# KiCad board KiBoxLite_H.kicad_pcb
title: ESP32-PoE; date: 2025-02-21; rev: M1; company: OLIMEX Ltd.; note: https://www.olimex.com
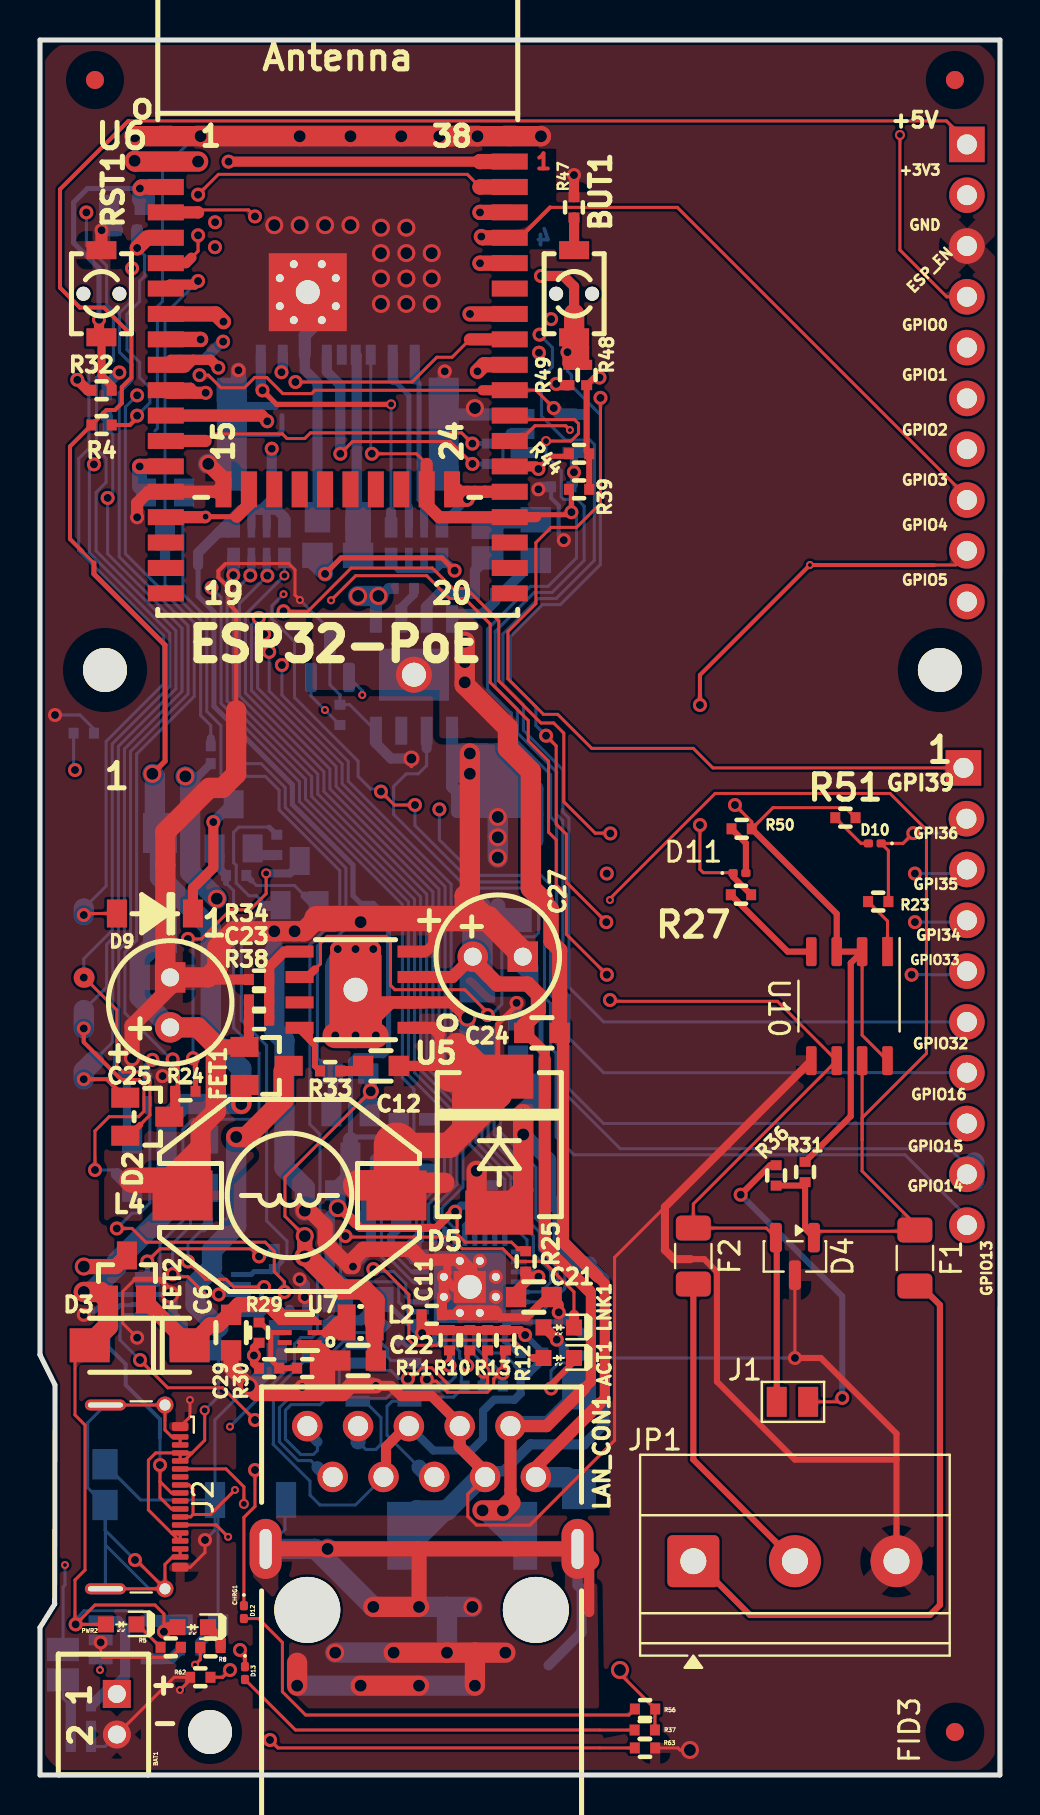
[diagram p0: board, top side]
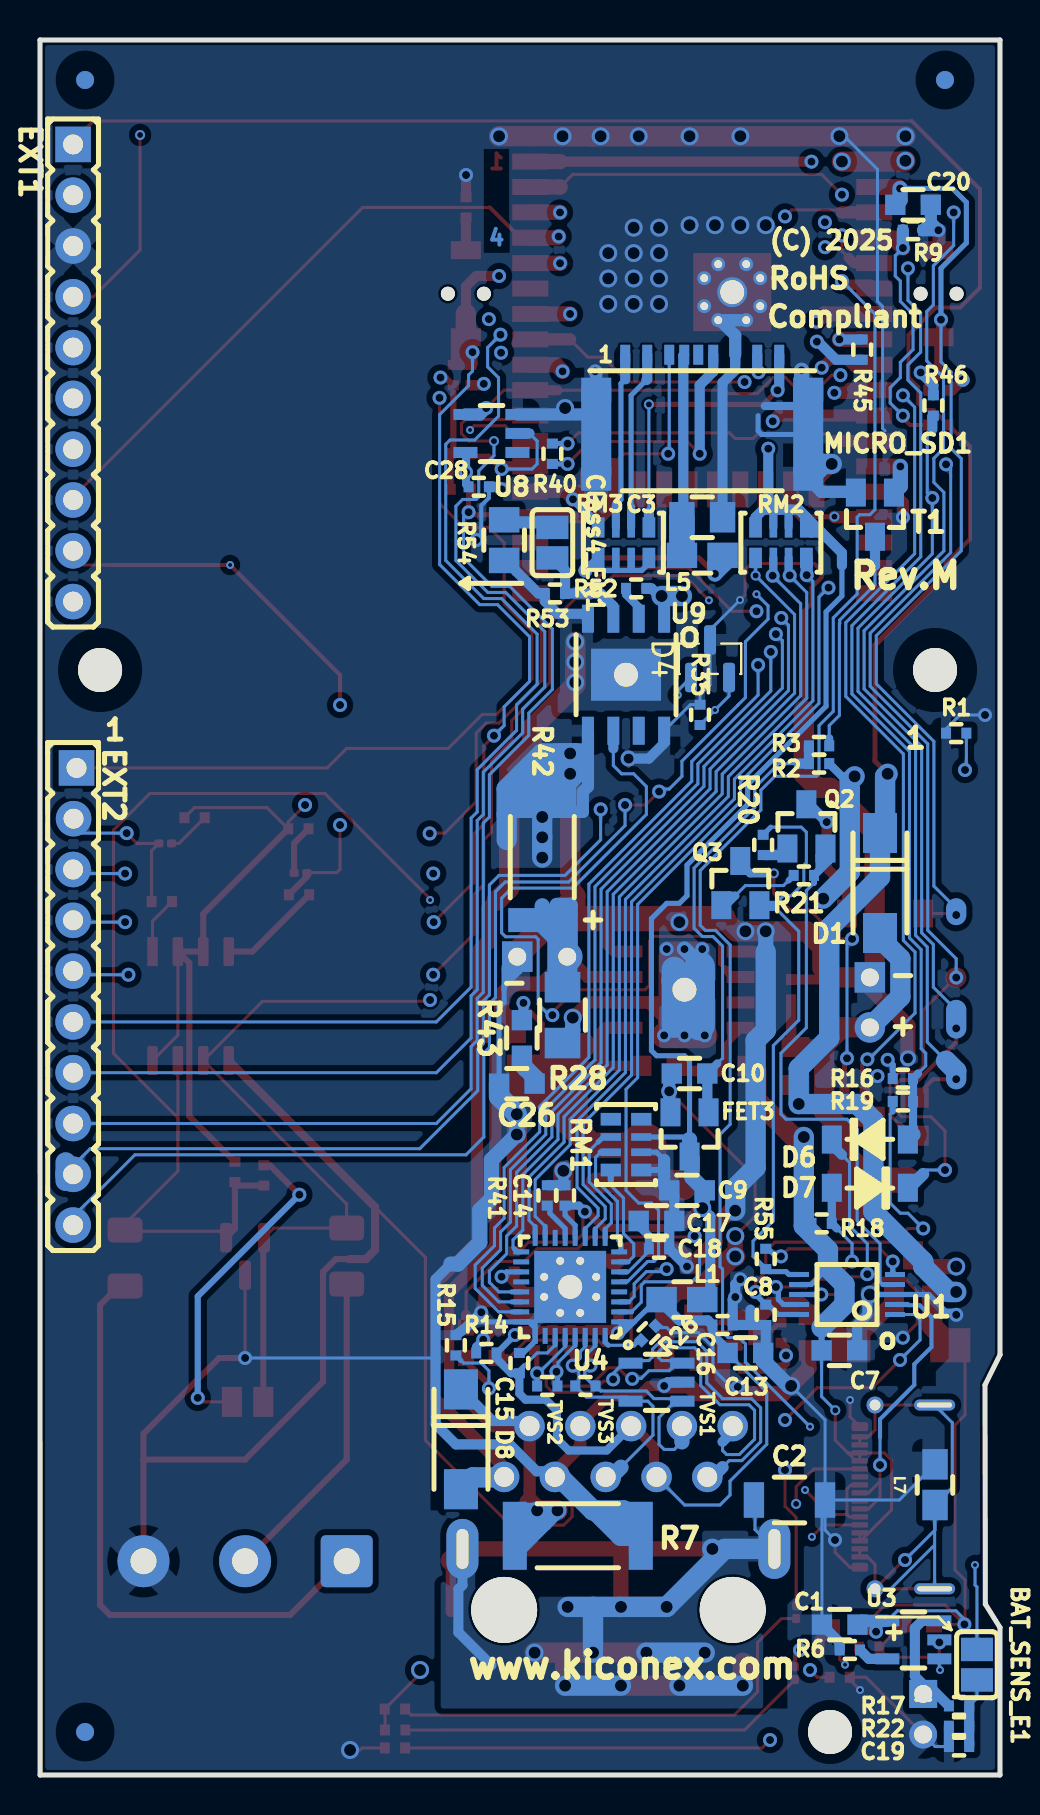
[diagram p1: board, bottom side, seen from below]

Outline 48 x 86.75 mm; copper layers: Top, In1.Cu (plane), In2.Cu (plane), Bottom. Coordinates in mm from the lower left corner of the outline.
Outline path: 0,86.75 48,86.75 48,0 0,0 0,7.37 0.73,8.55 0.75,19.5 0,21.01 0,86.75
Stack: Top 0.035mm / dielectric 0.48mm FR4 er 4.5 / In1.Cu 0.035mm / dielectric 0.48mm FR4 er 4.5 / In2.Cu 0.035mm / dielectric 0.48mm FR4 er 4.5 / Bottom 0.035mm

## Placement (name value [footprint] x y rotation side)
ACT1  LED/YELLOW/0603  [LED_0603_KA]  25.94 20.85 180 top
BAT1  DW02S  [LIPO_BAT_VERTICAL_DW02S]  0.31 3.02 270 top
BAT_SENS_E1  Opened  [SJ]  1.15 5.51 270 bottom
BUT1  IT1185AU2  [IT1185AU2_V2]  26.71 74.06 90 top
C1  22uF/6.3V/20%/X5R/C0603  [C_0603_5MIL_DWS]  8.02 7.52 0 bottom
C2  1nF/2000V/10%/X7R/C1206  [C_1206_5MIL_DWS_ISO]  10.53 13.75 0 bottom
C3  47uF/6.3V/20%/X5R/C0805  [C_0805_5MIL_DWS]  14.89 62.89 180 bottom
C6  22uF/6.3V/20%/X5R/C0603  [C_0603_5MIL_DWS]  9.56 22.12 270 top
C7  22uF/6.3V/20%/X5R/C0603  [C_0603_5MIL_DWS]  8.03 21.23 180 bottom
C8  100nF/10V/20%/X5R/C04020  [C_0402_5MIL_DWS]  11.72 23.01 270 bottom
C9  22uF/6.3V/20%/X5R/C0603  [C_0603_5MIL_DWS]  15.65 29.23 0 bottom
C10  22uF/6.3V/20%/X5R/C0603  [C_0603_5MIL_DWS]  15.53 35.07 180 bottom
C11  100nF/10V/20%/X5R/C04020  [C_0402_5MIL_DWS]  19.59 23.01 0 top
C12  100nF/100V/10%/X7R/C0603  [C_0603_5MIL_DWS]  17.05 35.46 180 top
C13  22uF/6.3V/20%/X5R/C0603  [C_0603_5MIL_DWS]  12.73 21.1 180 bottom
C14  100nF/10V/20%/X5R/C04020  [C_0402_5MIL_DWS]  21.75 28.98 90 bottom
C15  100nF/10V/20%/X5R/C04020  [C_0402_5MIL_DWS]  24.03 20.6 90 bottom
C16  100nF/10V/20%/X5R/C04020  [C_0402_5MIL_DWS]  13.87 22.5 180 bottom
C17  2.2uF/6.3V/10%/X5R/C0603  [C_0603_5MIL_DWS]  17.18 27.71 180 bottom
C18  100nF/10V/20%/X5R/C04020  [C_0402_5MIL_DWS]  17.05 26.31 180 bottom
C19  1nF/50V/10%/X7R/C0402  [C_0402_5MIL_DWS]  2.05 1.42 0 bottom
C20  1uF/10V/20%/X5R/C0603  [C_0603_5MIL_DWS]  4.35 78.51 180 bottom
C21  NA(10uF/6.3V/20%/X5R/C0603)  [C_0603_5MIL_DWS]  24.69 23.9 180 top
C22  22uF/6.3V/20%/X5R/C0603  [C_0603_5MIL_DWS]  15.91 20.72 180 top
C23  12pF/50V/5%/COG/C0402  [C_0402_5MIL_DWS]  10.95 38.76 0 top
C24  100nF/100V/10%/X7R/C0603  [C_0603_5MIL_DWS]  25.1 37.11 0 top
C25  470uF/10V/20%/Low_ESR/RM2.5/6.0x11mm  [CPOL-RM2.5mm_6.3x11mm_PTH]  6.51 38.63 90 top
C26  NA(220pF/100V/C0603)  [C_0603_5MIL_DWS]  24.16 34.57 0 bottom
C27  15uF/100V/20%/RM2.5/6.3x11mm(Farnell:1281844)  [CPOL-RM2.5mm_6.3x11mm_PTH]  22.89 40.92 0 top
C28  NA(100nF/10V/20%/X5R/C04020)  [C_0402_5MIL_DWS]  26.07 64.41 0 bottom
C29  NA(120pF/50V/5%/C0G/C0402)  [C_0402_5MIL_DWS]  11.46 20.34 180 top  (not fitted)
CHRG1  LED/YELLOW/0603  [LED_0603_KA]  7.64 7.39 180 top
Class4_EN1  Closed  [SJ]  22.38 61.62 270 bottom
D1  1N5822/SS34/SMA  [SMA-KA]  6 44.6 270 bottom
D2  BAT54C(SOT23-3)  [SOT23-3]  5.36 32.91 180 top
D3  1N5822/SS34/SMA  [SMA-KA]  4.98 21.49 180 top
D4  SM712_SOT23  [SOT-23]  37.75 25.93 270 top
D4#2  SM712_SOT23  [SOT-23]  14.5 55.81 90 bottom
D5  SS510/100V/5A/0.85V/DO214AB(SMC)  [DO214AB(SMC)_1(K)-2(A)]  22.97 31.52 270 top
D6  1N5819S4(SOD-123)  [SOD-123_1C-2A_KA]  6.51 31.77 180 bottom
D7  1N5819S4(SOD-123)  [SOD-123_1C-2A_KA]  6.51 29.36 0 bottom
D8  SMAJ58A/SMA  [SMA-KA]  26.95 16.79 270 bottom
D9  1N5819S4(SOD-123)  [SOD-123_1C-2A_KA]  5.75 43.07 180 top
D10  LED  [LED_0201_0603Metric]  41.74 46.58 180 top
D11  LED  [LED_0201_0603Metric]  34.98 45.1 0 top
D12  LED  [LED_0201_0603Metric]  10.2 8.14 270 top
D13  LED  [LED_0201_0603Metric]  10.25 5.09 270 top
EXT1  NS(HN1x10)  [HN1x10#2]  46.35 70.1 270 bottom
EXT2  NS(HN1x10)  [HN1x10]  46.35 38.92 270 bottom
F1  Polyfuse_Small  [Fuse_1206_3216Metric]  43.75 25.85 270 top
F2  Polyfuse_Small  [Fuse_1206_3216Metric]  32.67 25.95 270 top
FET1  WPM2015-3/TR  [SOT23]  11.33 35.46 180 top
FET2  WPM2015-3/TR  [SOT23]  4.35 24.88 270 top
FET3  WPM2015-3/TR  [SOT23]  15.53 32.03 90 bottom
FID1  Fiducial  [Fiducial1x3#3]  2.57 85.5 270 top
FID2  Fiducial  [Fiducial1x3#2]  46.43 85.5 270 top
FID3  Fiducial  [Fiducial1x3]  46.48 2.25 270 top
FID4  Fiducial  [Fiducial1x3#5]  2.82 84.95 0 bottom
FID5  Fiducial  [Fiducial1x3#6]  41.5 84.75 270 bottom
FID6  Fiducial  [Fiducial1x3#4]  45.75 2.25 270 bottom
J1  Screw_Terminal_01x03  [TerminalBlock_Phoenix_MKDS-1,5-3-5.08_1x03_P5.08mm_Horizontal]  32.67 10.69 0 top
J2  USB_C_Receptacle_USB2.0_14P  [USB_C_Receptacle_G-Switch_GT-USB-7025]  3.56 13.91 270 top
JP1  SolderJumper_2_Bridged  [SolderJumper_IND_Data]  37.61 18.66 0 top
L1  FB0805/600R/2A  [L_0805_5MIL_DWS]  15.91 23.77 0 bottom
L2  1.0uH/4.2A/DCR=35mR/20%/2.00x1.60x1.00mm/L2016(PIM201610-1R0MTS00)  [L_2016_MM]  16.03 22.63 0 top
L4  33uH/2.1A/DCR=0.1R/20%/DBS135(PD3316MT330)  [DBS135]  12.48 28.98 180 top
L5  FB0805/600R/2A  [L_0805_5MIL_DWS]  14.89 60.98 0 bottom
L7  FB0805/600R/2A  [L_0805_5MIL_DWS]  3.25 14.52 90 bottom
LAN_CON1  -  [RJP-003TC1(LPJ4112CNL)]  19.08 8.4 0 top
LNK1  LED/GREEN/0603  [LED_0603_KA]  25.94 22.37 180 top
MH1  Mounting_Hole_NPTH  [NPTH_2.2mm]  3.25 55.75 0 top
MH2  Mounting_Hole_NPTH  [NPTH_2.2mm#2]  45 55.67 0 top
MH3  Mounting_Hole_NPTH  [NPTH_2.2mm#3]  8.5 1.87 0 top
MICRO_SD1  TFC-9P-1.7H(ATFFS150A01BR016)  [uSD(TFC-9P-1.xH(ATFFS150A01BR016))]  14.89 67.71 0 bottom
PWR2  LED/RED/0603  [LED_0603_KA]  4.06 7.53 180 top
Q2  BC817-40(SOT23)  [SOT23]  9.68 47.43 270 bottom
Q3  BC817-40(SOT23)  [SOT23]  12.98 44.6 270 bottom
R1  10k/R0402  [R_0402_5MIL_DWS]  2.19 52.09 0 bottom
R2  10k/R0402  [R_0402_5MIL_DWS]  9.05 50.57 0 bottom
R3  1k/R0402  [R_0402_5MIL_DWS]  9.05 51.46 180 bottom
R4  47k/R0402  [R_0402_5MIL_DWS]  3.08 67.5 0 top
R5  2.2k/R0402  [R_0402_5MIL_DWS]  6.54 6.39 0 top
R6  10k/R0402  [R_0402_5MIL_DWS]  7.51 6.25 0 bottom
R7  9.1k/R2512  [R_2512_MM_DWS]  21.11 11.96 180 bottom
R8  2.2k/R0402  [R_0402_5MIL_DWS]  8.52 6.38 180 top
R9  100k/R0402  [R_0402_5MIL_DWS]  4.35 77.24 180 bottom
R10  49.9R/1%/R0402  [R_0402_5MIL_DWS]  21.49 21.74 270 top
R11  49.9R/1%/R0402  [R_0402_5MIL_DWS]  20.48 21.74 270 top
R12  49.9R/1%/R0402  [R_0402_5MIL_DWS]  23.27 21.74 270 top
R13  49.9R/1%/R0402  [R_0402_5MIL_DWS]  22.38 21.74 270 top
R14  2.2k/R0402  [R_0402_5MIL_DWS]  25.69 21.1 0 bottom
R15  2.2k/R0402  [R_0402_5MIL_DWS]  27.21 21.49 90 bottom
R16  NA(10k/R0402)  [R_0402_5MIL_DWS]  4.86 34.82 0 bottom
R17  470k/R0402  [R_0402_5MIL_DWS]  2.05 3.46 180 bottom
R18  10k/R0402  [R_0402_5MIL_DWS]  8.92 27.58 180 bottom
R19  10k/R0402  [R_0402_5MIL_DWS]  4.86 33.68 180 bottom
R20  1k/R0402  [R_0402_5MIL_DWS]  11.84 46.5 270 bottom
R21  1k/R0402  [R_0402_5MIL_DWS]  9.81 44.98 0 bottom
R22  470k/R0402  [R_0402_5MIL_DWS]  2.05 2.44 0 bottom
R23  22R  [R_0402_5MIL_DWS]  41.92 43.67 180 top
R24  220R/R0402  [R_0402_5MIL_DWS]  7.27 34.19 180 top
R25  10k/R0402  [R_0402_5MIL_DWS]  24.29 25.68 90 top
R26  12.1k/1%/R0402  [R_0402_5MIL_DWS]  17.58 22.1 135 bottom
R27  22R  [R_0402_5MIL_DWS]  35.05 44.01 180 top
R28  0.03R/1%/R1206  [R_1206_5MIL_DWS]  21.88 38 90 bottom
R29  220k/R0402  [R_0402_5MIL_DWS]  10.95 22.12 270 top
R30  49.9k/1%/R0402  [R_0402_5MIL_DWS]  13.37 20.34 0 top
R31  220R  [R_0402_5MIL_DWS]  38.26 30.15 270 top
R32  10k/R0402  [R_0402_5MIL_DWS]  3.08 69.24 0 top
R33  4.7R/R0402  [R_0402_5MIL_DWS]  14.51 35.2 0 top
R34  5.23k/1%/R0402  [R_0402_5MIL_DWS]  10.95 39.77 180 top
R35  220R  [R_0402_5MIL_DWS]  15 53.01 90 bottom
R36  120R  [R_0402_5MIL_DWS]  36.81 29.98 90 top
R37  2.2K  [R_0402_5MIL_DWS]  30.24 2.25 180 top
R38  30.1k/1%/R0402  [R_0402_5MIL_DWS]  10.95 37.74 0 top
R39  10k/R0402  [R_0402_5MIL_DWS]  26.95 64.28 180 top
R40  10R/R0402  [R_0402_5MIL_DWS]  22.38 66.06 270 bottom
R41  2.2k/R0402  [R_0402_5MIL_DWS]  22.64 28.98 270 bottom
R42  9.1k/R2512  [R_2512_MM_DWS]  22.89 45.89 90 bottom
R43  NA(22R/R0603)  [R_0603_5MIL_DWS]  23.91 36.85 90 bottom
R44  NA/R0402  [R_0402_5MIL_DWS]  26.95 66.06 0 top
R45  NA(10R/R0402)  [R_0402_5MIL_DWS]  6.89 71.27 270 bottom
R46  220R/R0402  [R_0402_5MIL_DWS]  3.33 68.47 90 bottom
R47  220R/R0402  [R_0402_5MIL_DWS]  26.7 78.38 90 top
R48  10k/R0402  [R_0402_5MIL_DWS]  27.34 70 90 top
R49  NA/R0402  [R_0402_5MIL_DWS]  26.45 70 270 top
R50  2.2K  [R_0402_5MIL_DWS]  35.09 47.31 0 top
R51  2.2K  [R_0402_5MIL_DWS]  40.27 47.86 0 top
R52  24.9k/1%/R0402  [R_0402_5MIL_DWS]  18.19 59.33 0 bottom
R53  1.27k/1%/62.5mW/R0402  [R_0402_5MIL_DWS]  22.26 59.08 0 bottom
R54  NA(66.5R/1%/125mW/R0805)  [R_0805_5MIL_DWS]  24.8 61.74 90 bottom
R55  4.7k/R0402  [R_0402_5MIL_DWS]  11.72 25.8 90 bottom
R56  2.2K  [R_0402_5MIL_DWS]  30.26 3.3 180 top
R62  5.1K  [R_0402_5MIL_DWS]  8.02 4.89 180 top
R63  5.1K  [R_0402_5MIL_DWS]  30.25 1.35 0 top
RM1  RA1206_(4X0603)_4B8_2.2k  [R_MATRIX_4]  18.7 31.52 90 bottom
RM2  RA1206_(4X0603)_4B8_2.2k  [R_MATRIX_4]  10.95 61.62 0 bottom
RM3  RA1206_(4X0603)_4B8_2.2k  [R_MATRIX_4]  18.83 61.62 0 bottom
RST1  IT1185AU2  [IT1185AU2_V2]  3.07 74.06 90 top
T1  LMUN2211LT1G(SOT-23)  [SOT23]  6.25 63.01 90 bottom
TVS1  ESDS314DBVR(SOT-23-5)  [SOT-23-5]  17.18 19.64 180 bottom
TVS2  NA(GG0402052R542P)  [D_0402_5MIL_DWS]  22.64 19.45 180 bottom
TVS3  NA(GG0402052R542P)  [D_0402_5MIL_DWS]  20.73 19.45 0 bottom
U1  CH340X(MSOP-10)  [MSOP-10_Pitch-0.5mm_3.00x3.00x1.00mm]  7.65 24.03 90 bottom
U3  TP4054-42-SOT25-R(SOT23-5)  [SOT-23-5]  4.33 6.76 180 bottom
U4  LAN8710A-EZC(QFN32)  [QFN32_EP(33)_5.00x5.00x0.90mm_Pitch_0.50mm]  21.49 24.41 90 bottom
U5  TX4138(ESOIC-8)  [ESOIC-8]  15.78 39.26 90 top
U6  ESP32-WROOM-32E-N4  [ESP32-WROVER(WROOM)-UNIVERSAL_MODULE]  14.89 73.68 0 top
U7  TPS62A02ADRLR(SOT-563-6)  [SOT-563-6]  12.98 22.12 0 top
U8  NA(SN74LVC1G04DBVR(SOT23-5))  [SOT-23-5]  25.43 67.08 180 bottom
U9  TPS2378DDAR(HSOIC-8)  [ESOIC-8]  18.7 55.01 0 bottom
U10  -  [MAX13487]  40.47 38.44 270 top

## Library data of the parts
ACT1 CHRG1 LNK1 PWR2 = -: Fieldname 1: Value 1; Fieldname2: Value2; Fieldname3: Value3; ki_fp_filters: LED-3MM LED-5MM LED-10MM LED-0603 LED-0805 LED-1206 LEDV
BAT1 BUT1 FET2 L1 L2 L4 L5 L7 RM1 RM3 RST1 = -: Fieldname 1: Value 1; Fieldname2: Value2; Fieldname3: Value3
BAT_SENS_E1 Class4_EN1 = -: ki_fp_filters: *SJ* *SJ-CLOSE* *SJ_1_SMALLER_CLOSE* *SJ_1_SMALLER_CLOSE_10MILS* *SJ_1_THE_SMALLEST* *SJ_1_SMALLER* *SJW*
C1-C3 C6-C11 C13-C22 C24 = -: Fieldname 1: Value 1; Fieldname2: Value2; Fieldname3: Value3; ki_fp_filters: C? C_????_* C_???? SMD*_c Capacitor*
C12 C23 C26 C29 = -: ki_fp_filters: C? C_????_* C_???? SMD*_c Capacitor*
C25 C27 = -: ki_fp_filters: CP* Elko* TantalC* C*elec c_elec* SMD*_Pol
C28 = -: Fieldname 1: Value 1; Fieldname2: Value2; Fieldname3: Value3; Value WROVER: 100nF/10V/20%/X5R/C04020; Value WROVER-EA: 100nF/10V/20%/X5R/C04020; ki_fp_filters: C? C_????_* C_???? SMD*_c Capacitor*
D1 = -: ki_fp_filters: D-Pak_TO252AA Diode_* *SingleDiode *SingleDiode* *_Diode_*
D3 = -: Fieldname 1: Value 1; Fieldname2: Value2; Fieldname3: Value3; ki_fp_filters: D-Pak_TO252AA Diode_* *SingleDiode *SingleDiode* *_Diode_*
D4 D4#2 = -: Datasheet: https://www.littelfuse.com/~/media/electronics/datasheets/tvs_diode_arrays/littelfuse_tvs_diode_array_sm712_datasheet.pdf.pdf; Description: 7V/12V, 600W Asymmetrical TVS Diode Array, SOT-23; ki_fp_filters: SOT?23*
D5-D7 D9 = -: Fieldname 1: Value 1; Fieldname2: Value2; Fieldname3: Value3; ki_fp_filters: Diode_* D-Pak_TO252AA *SingleDiode *SingleDiode* *_Diode_*
D8 = -: ki_fp_filters: *DO214AA*
D10-D13 = -: Description: Light emitting diode; Sim.Pins: 1=K 2=A; ki_fp_filters: LED* LED_SMD:* LED_THT:*
F1 F2 = -: Description: Resettable fuse, polymeric positive temperature coefficient, small symbol; ki_fp_filters: *polyfuse* *PTC*
FID1-FID6 = -: ki_fp_filters: *TEST_PAD40/70/SQUARE* *TESTPAD50/80* *TESPAD28/40* *TESTPAD32/56* *TESTPAD34/60* *TESTPAD311_1* *TESTPAD40/66/SQUARE* *TESTPAD40/66* *TESTPAD* *TESTPAD2* *TESTPAD43/80* *SMD50/40* *TESTPAD50/80* *TESTPAD50/80_SQUARE* *TESTPAD60/110* *TESTPAD311* *SMD80/30* *SMD80/40* *SMD80/50* *TESTPAD80/130* *TESTPAD90/69* *SMD100/40* *TESTPAD100/150* *SMD250/80* *TESTPAD40/OBLONG* *TESTPAD_RPM* *TESTPAD60/90_WITHOUT_MASK*
J1 = -: Description: Generic screw terminal, single row, 01x03, script generated (kicad-library-utils/schlib/autogen/connector/); ki_fp_filters: TerminalBlock*:*
J2 = -: Datasheet: https://www.usb.org/sites/default/files/documents/usb_type-c.zip; Description: USB 2.0-only 14P Type-C Receptacle connector; ki_fp_filters: USB*C*Receptacle*
JP1 = -: Description: Solder Jumper, 2-pole, closed/bridged; ki_fp_filters: SolderJumper*Bridged*
LAN_CON1 = -: Datasheet: https://www.dacomwest.de/images/Dateien/Taimag/Dokumente/RJ45/Tab-Down/RJP-003TC1-A1_20051226.pdf
MICRO_SD1 = -: Datasheet: http://www.globalsources.com/gsol/I/Memory-card/p/sm/1148705868.htm?pos_dd=prod_PrdtDDImage_1_24#1148705868; ki_fp_filters: *TFC-WXCP11-08-LF*
R1-R22 R25 R26 R29 R30 R32 R39-R42 R44 R47-R49 R55 = -: Fieldname 1: Value 1; Fieldname2: Value2; Fieldname3: Value3; ki_fp_filters: R_* Resistor_*
R23 R27 R31 R35 R36 R50 R51 R62 R63 = -: Description: Resistor; ki_fp_filters: R_*
R24 R28 R33 R34 R38 R43 R46 R52-R54 = -: ki_fp_filters: R_* Resistor_*
R37 R56 = -: Description: Resistor, small symbol; ki_fp_filters: R_*
R45 = -: Fieldname 1: Value 1; Fieldname2: Value2; Fieldname3: Value3; Value WROVER: 10R/R0402; Value WROVER-EA: 10R/R0402; ki_fp_filters: R_* Resistor_*
T1 = -: Datasheet: https://www.lcsc.com/datasheet/lcsc_datasheet_2410010302_LRC-LMUN2211LT1G_C12775.pdf; Description: NPN Silicon Surface Mount Transistor with Monolithic Bias Resistor Network; Note: PB-Free; ki_fp_filters: *SOT-23*
TVS1 = -: Datasheet: https://www.ti.com/lit/gpn/esds314; Description: The ESDS314 devices are unidirectional ESD Protection Diode with a low capacitance.; ki_fp_filters: Diode_* D-Pak_TO252AA *SingleDiode *SingleDiode* *_Diode_*
TVS2 TVS3 = -: Description: GiGuard series of ESD Suppression Diodes, Bi-directional Leadless Transient Voltage Suppressor Diodes Provide ESD Protection for High Speed Communication and Data Lines; ki_fp_filters: Diode_* D-Pak_TO252AA *SingleDiode *SingleDiode* *_Diode_*
U1 = -: Datasheet: http://www.wch-ic.com/downloads/CH340DS1_PDF.html; Description: USB to Serial Port Chip CH340; Note: PB-Free; ki_fp_filters: SSOP-20W
U3 = -: Datasheet: https://datasheet.lcsc.com/lcsc/2304140030_BL-Shanghai-Belling-BL4054B-42TPRN_C83783.pdf; Description: 800mA Standalone Linear Li-Ion Battery Charger with Thermal Regulation in SOT23-5/TSOT23-5; Note: PB-Free
U4 = -: Fieldname 1: Value 1; Fieldname2: Value2; Fieldname3: Value3; Value EA-IND: LAN8710AI-EZK (industrial); Value IND: LAN8710AI-EZK (industrial)
U5 = -: Datasheet: https://datasheet.lcsc.com/lcsc/1811141153_XDS-TX4138_C329267.pdf; Description: 4A, 60V, 200KHz Step-Down Converter
U6 = -: Value 16MB: ESP32-WROOM-32E-N16; Value EA: ESP32-WROOM-32UE; Value EA-IND: ESP32-WROOM-32UE; Value EA-16MB: ESP32-WROOM-32UE-N16; Value WROVER: ESP32-WROVER-E-N4R8; Value WROVER-EA: ESP32-WROVER-IE
U7 = -: Datasheet: https://www.ti.com/lit/ds/symlink/tps62a02a.pdf?ts=1709667174890&ref_url=https%253A%252F%252Fwww.ti.com%252Fpower-management%252Fnon-isolated-dc-dc-switching-regulators%252Fstep-down-buck%252Fproducts.html; Description: 2-A High-Efficiency Synchronous Buck Converters in a SOT563 Package; Fieldname 1: Value 1; Fieldname2: Value2; Fieldname3: Value3; Note: PB-Free; ki_fp_filters: *SOT23-5*
U8 = -: Value WROVER: SN74LVC1G04DBVR(SOT23-5); Value WROVER-EA: SN74LVC1G04DBVR(SOT23-5)
U9 = -: Datasheet: https://www.ti.com/lit/ds/symlink/tps2378.pdf?ts=1705340374510&ref_url=https%253A%252F%252Fwww.ti.com%252Fproduct%252FTPS2378%252Fpart-details%252FTPS2378DDAR; Description: IEEE 802.3at PoE High-Power PD Interface; Note: PB-Free
U10 = -: Datasheet: https://www.mouser.es/datasheet/2/256/MAX13487E-MAX13488E-1515036.pdf; Description: RS485/RS422 compatible transceiver with Audirection control, hot swap capabilities and ESD protection.; Manufacturer: Maxim Integrated / Analog Devices

## Footprints (pads in the part's own frame, mm; a bottom-side part is the same pattern mirrored in y, then rotated)
C_0402_5MIL_DWS
  rect 0.5x0.55 smd: 1(-0.508,0) 2(0.508,0)
C_0603_5MIL_DWS
  rect 1.016x1.016 smd: 1(-0.889,0) 2(0.889,0)
C_0805_5MIL_DWS
  rect 1.27x1.524 smd: 1(-1.016,0) 2(1.016,0)
C_1206_5MIL_DWS_ISO
  rect 1.016x1.778 smd: 1(-1.778,0) 2(1.778,0)
CPOL-RM2.5mm_6.3x11mm_PTH
  round 1.524 hole 0.9: 1(-1.25,0)
  rect 1.524x1.524 hole 0.9: 2(1.25,0)
D_0402_5MIL_DWS
  rect 0.5x0.55 smd: 1(-0.508,0) 2(0.508,0)
DBS135
  rect 3.4x2.8 smd: (-5.35,0) (5.35,0)
  rect 3x2.5 smd: 1(-5.35,0) 2(5.35,0)
DO214AB(SMC)_1(K)-2(A)
  rect 2.4x3.6 smd: (-3.4,0) (3.4,0)
  rect 2.2x3.4 smd: 1(-3.4,0) 2(3.4,0)
ESOIC-8
  rect 0.6x1.4 smd: 1(-1.905,-2.8) 2(-0.635,-2.8) 3(0.635,-2.8) 4(1.905,-2.8) 5(1.905,2.8) 6(0.635,2.8) 7(-0.635,2.8) 8(-1.905,2.8)
  round 1.8 hole 1.2: 9(0,0)
  rect 3.5x2.6 smd: 9(0,0)
ESP32-WROVER(WROOM)-UNIVERSAL_MODULE
  rect 1.902x0.902 smd: (-8.6,8.26) (-8.6,6.99) (-8.6,5.72) (-8.6,4.45) (-8.6,3.18) (-8.6,1.91) (-8.6,0.64) (-8.6,-0.63) (-8.6,-1.9) (-8.6,-3.17) (-8.6,-4.44) (-8.6,-5.71) (-8.6,-6.98) (-8.6,-8.25) (-8.6,-9.52) (-8.6,-10.79) (-8.6,-12.06) (-8.6,-13.33) (-8.6,-14.6) (8.6,8.26) (8.6,6.99) (8.6,5.72) (8.6,4.45) (8.6,3.18) (8.6,1.91) (8.6,0.64) (8.6,-0.63) (8.6,-1.9) (8.6,-3.17) (8.6,-4.44) (8.6,-5.71) (8.6,-6.98) (8.6,-8.25) (8.6,-9.52) (8.6,-10.79) (8.6,-12.06) (8.6,-13.33) (8.6,-14.6)
  rect 0.902x1.902 smd: (-5.715,-9.4) (-4.445,-9.4) (-3.175,-9.4) (-1.905,-9.4) (-0.635,-9.4) (0.635,-9.4) (1.905,-9.4) (3.175,-9.4) (4.445,-9.4) (5.715,-9.4)
  rect 0.9x0.9 smd: (-2.9,1.86) (-2.9,0.46) (-2.9,-0.94) (-1.5,1.86) (-1.5,-0.94) (-0.1,1.86) (-0.1,0.46) (-0.1,-0.94)
  rect 1.8x0.8 smd: 1(-8.6,8.26) 2(-8.6,6.99) 3(-8.6,5.72) 4(-8.6,4.45) 5(-8.6,3.18) 6(-8.6,1.91) 7(-8.6,0.64) 8(-8.6,-0.63) 9(-8.6,-1.9) 10(-8.6,-3.17) 11(-8.6,-4.44) 12(-8.6,-5.71) 13(-8.6,-6.98) 14(-8.6,-8.25) 15(-8.6,-9.52) 16(-8.6,-10.79) 17(-8.6,-12.06) 18(-8.6,-13.33) 19(-8.6,-14.6) 20(8.6,-14.6) 21(8.6,-13.33) 22(8.6,-12.06) 23(8.6,-10.79) 24(8.6,-9.52) 25(8.6,-8.25) 26(8.6,-6.98) 27(8.6,-5.71) 28(8.6,-4.44) 29(8.6,-3.17) 30(8.6,-1.9) 31(8.6,-0.63) 32(8.6,0.64) 33(8.6,1.91) 34(8.6,3.18) 35(8.6,4.45) 36(8.6,5.72) 37(8.6,6.99) 38(8.6,8.26)
  rect 0.8x1.8 smd: 15(-5.715,-9.4) 16(-4.445,-9.4) 17(-3.175,-9.4) 18(-1.905,-9.4) 19(-0.635,-9.4) 20(0.635,-9.4) 21(1.905,-9.4) 22(3.175,-9.4) 23(4.445,-9.4) 24(5.715,-9.4)
  round 0.7 hole 0.4: 39(-2.9,1.16) 39(-2.9,-0.24) 39(-2.2,1.86) 39(-2.2,-0.94) 39(-0.8,1.86) 39(-0.8,-0.94) 39(-0.1,1.16) 39(-0.1,-0.24)
  round 1.5 hole 1.2: 39(-1.5,0.46)
  rect 3.9x3.9 smd: 39(-1.5,0.46)
Fiducial1x3
  round 0.9 smd: Fid1(0.1,-0.735)
Fiducial1x3#2
  round 0.9 smd: Fid1(0.75,-0.682)
Fiducial1x3#3
  round 0.9 smd: Fid1(0.75,0.179)
Fiducial1x3#4
  round 0.9 smd: Fid1(0.1,0)
Fiducial1x3#5
  round 0.9 smd: Fid1(-0.071,0.2)
Fiducial1x3#6
  round 0.9 smd: Fid1(0,-4.25)
Fuse_1206_3216Metric
  rrect 1.25x1.75 smd: 1(-1.4,0) 2(1.4,0)
HN1x10
  rect 1.778x1.778 hole 1: 1(-11.43,0.173)
  round 1.778 hole 1: 2(-8.89,0.023) 3(-6.35,0) 4(-3.81,0) 5(-1.27,0) 6(1.27,0) 7(3.81,0) 8(6.35,0) 9(8.89,0) 10(11.43,0)
HN1x10#2
  rect 1.778x1.778 hole 1: 1(-11.43,0)
  round 1.778 hole 1: 2(-8.89,0) 3(-6.35,0) 4(-3.81,0) 5(-1.27,0) 6(1.27,0) 7(3.81,0) 8(6.35,0) 9(8.89,0) 10(11.43,0)
IT1185AU2_V2
  rect 1.327x1.754 smd: (-2.39,0) (2.39,0)
  round 0.7 hole 0.7 unplated: (0,0.9) (0,-0.9)
  rect 0.9x1.5 smd: 1(-2.177,0) 2(2.177,0)
L_0805_5MIL_DWS
  rect 1.524x1.27 smd: 1(-1.016,0) 2(1.016,0)
L_2016_MM
  rect 1.1x2 smd: (-0.7,0) (0.7,0)
  rect 0.9x1.8 smd: 1(-0.7,0) 2(0.7,0)
LED_0201_0603Metric
  rrect 0.318x0.36 smd: (-0.345,0) (0.345,0)
  rrect 0.46x0.4 smd: 1(-0.32,0) 2(0.32,0)
LED_0603_KA
  rect 0.8x0.8 smd: 1(-0.762,0) 2(0.762,0)
LIPO_BAT_VERTICAL_DW02S
  rect 1.4x1.4 hole 0.9: 1(-1.029,3.536)
  round 1.4 hole 0.9: 2(1.001,3.538)
MAX13487
  rect 1.45x0.53 smd: 1(-2.725,1.905)
  rrect 1.45x0.53 smd: 2(-2.725,0.635) 3(-2.725,-0.635) 4(-2.725,-1.905) 5(2.725,-1.905) 6(2.725,-0.635) 7(2.725,0.635) 8(2.725,1.905)
MSOP-10_Pitch-0.5mm_3.00x3.00x1.00mm
  rect 0.25x1 smd: 1(-1,-2.4) 2(-0.5,-2.4) 3(0,-2.4) 4(0.5,-2.4) 5(1,-2.4) 6(1,2.4) 7(0.5,2.4) 8(0,2.4) 9(-0.5,2.4) 10(-1,2.4)
NPTH_2.2mm
  round 2.2 hole 2.2 unplated: (0,-0.5)
NPTH_2.2mm#2
  round 2.2 hole 2.2 unplated: (0,-0.417)
NPTH_2.2mm#3
  round 2.2 hole 2.2 unplated: (0,0.279)
QFN32_EP(33)_5.00x5.00x0.90mm_Pitch_0.50mm
  rect 1x1 smd: (-1.2,-1.2) (-1.2,1.2) (1.2,-1.2) (1.2,1.2)
  rect 1x0.6 smd: (-1.2,0) (1.2,0)
  rect 0.6x1 smd: (0,-1.2) (0,1.2)
  rect 0.25x0.8 smd: 1(-1.75,-2.45) 2(-1.25,-2.45) 3(-0.75,-2.45) 4(-0.25,-2.45) 5(0.25,-2.45) 6(0.75,-2.45) 7(1.25,-2.45) 8(1.75,-2.45) 17(1.75,2.45) 18(1.25,2.45) 19(0.75,2.45) 20(0.25,2.45) 21(-0.25,2.45) 22(-0.75,2.45) 23(-1.25,2.45) 24(-1.75,2.45)
  rect 0.8x0.25 smd: 9(2.45,-1.75) 10(2.45,-1.25) 11(2.45,-0.75) 12(2.45,-0.25) 13(2.45,0.25) 14(2.45,0.75) 15(2.45,1.25) 16(2.45,1.75) 25(-2.45,1.75) 26(-2.45,1.25) 27(-2.45,0.75) 28(-2.45,0.25) 29(-2.45,-0.25) 30(-2.45,-0.75) 31(-2.45,-1.25) 32(-2.45,-1.75)
  round 0.7 hole 0.4: 33(-1.3,-0.5) 33(-1.3,0.5) 33(-0.5,-1.3) 33(-0.5,1.3) 33(0.5,-1.3) 33(0.5,1.3) 33(1.3,-0.5) 33(1.3,0.5)
  rect 1.6x1.6 hole 1.2: 33(0,0)
  rect 3.6x3.6 smd: 33(0,0)
R_0402_5MIL_DWS
  rect 0.5x0.55 smd: 1(-0.508,0) 2(0.508,0)
R_0603_5MIL_DWS
  rect 1.016x1.016 smd: 1(-0.889,0) 2(0.889,0)
R_0805_5MIL_DWS
  rect 1.27x1.524 smd: 1(-1.016,0) 2(1.016,0)
R_1206_5MIL_DWS
  rect 1.524x1.778 smd: 1(-1.397,0) 2(1.397,0)
R_2512_MM_DWS
  rect 1.454x3.654 smd: (-3.15,0) (3.15,0)
  rect 1.2x3.4 smd: 1(-3.15,0) 2(3.15,0)
R_MATRIX_4
  rect 0.635x1.016 smd: 1.1(-1.27,-0.762) 1.2(-1.27,0.762) 4.1(1.27,-0.762) 4.2(1.27,0.762)
  rect 0.381x1.016 smd: 2.1(-0.381,-0.762) 2.2(-0.381,0.762) 3.1(0.381,-0.762) 3.2(0.381,0.762)